# KiCad board ADCS_board.kicad_pcb (continued)
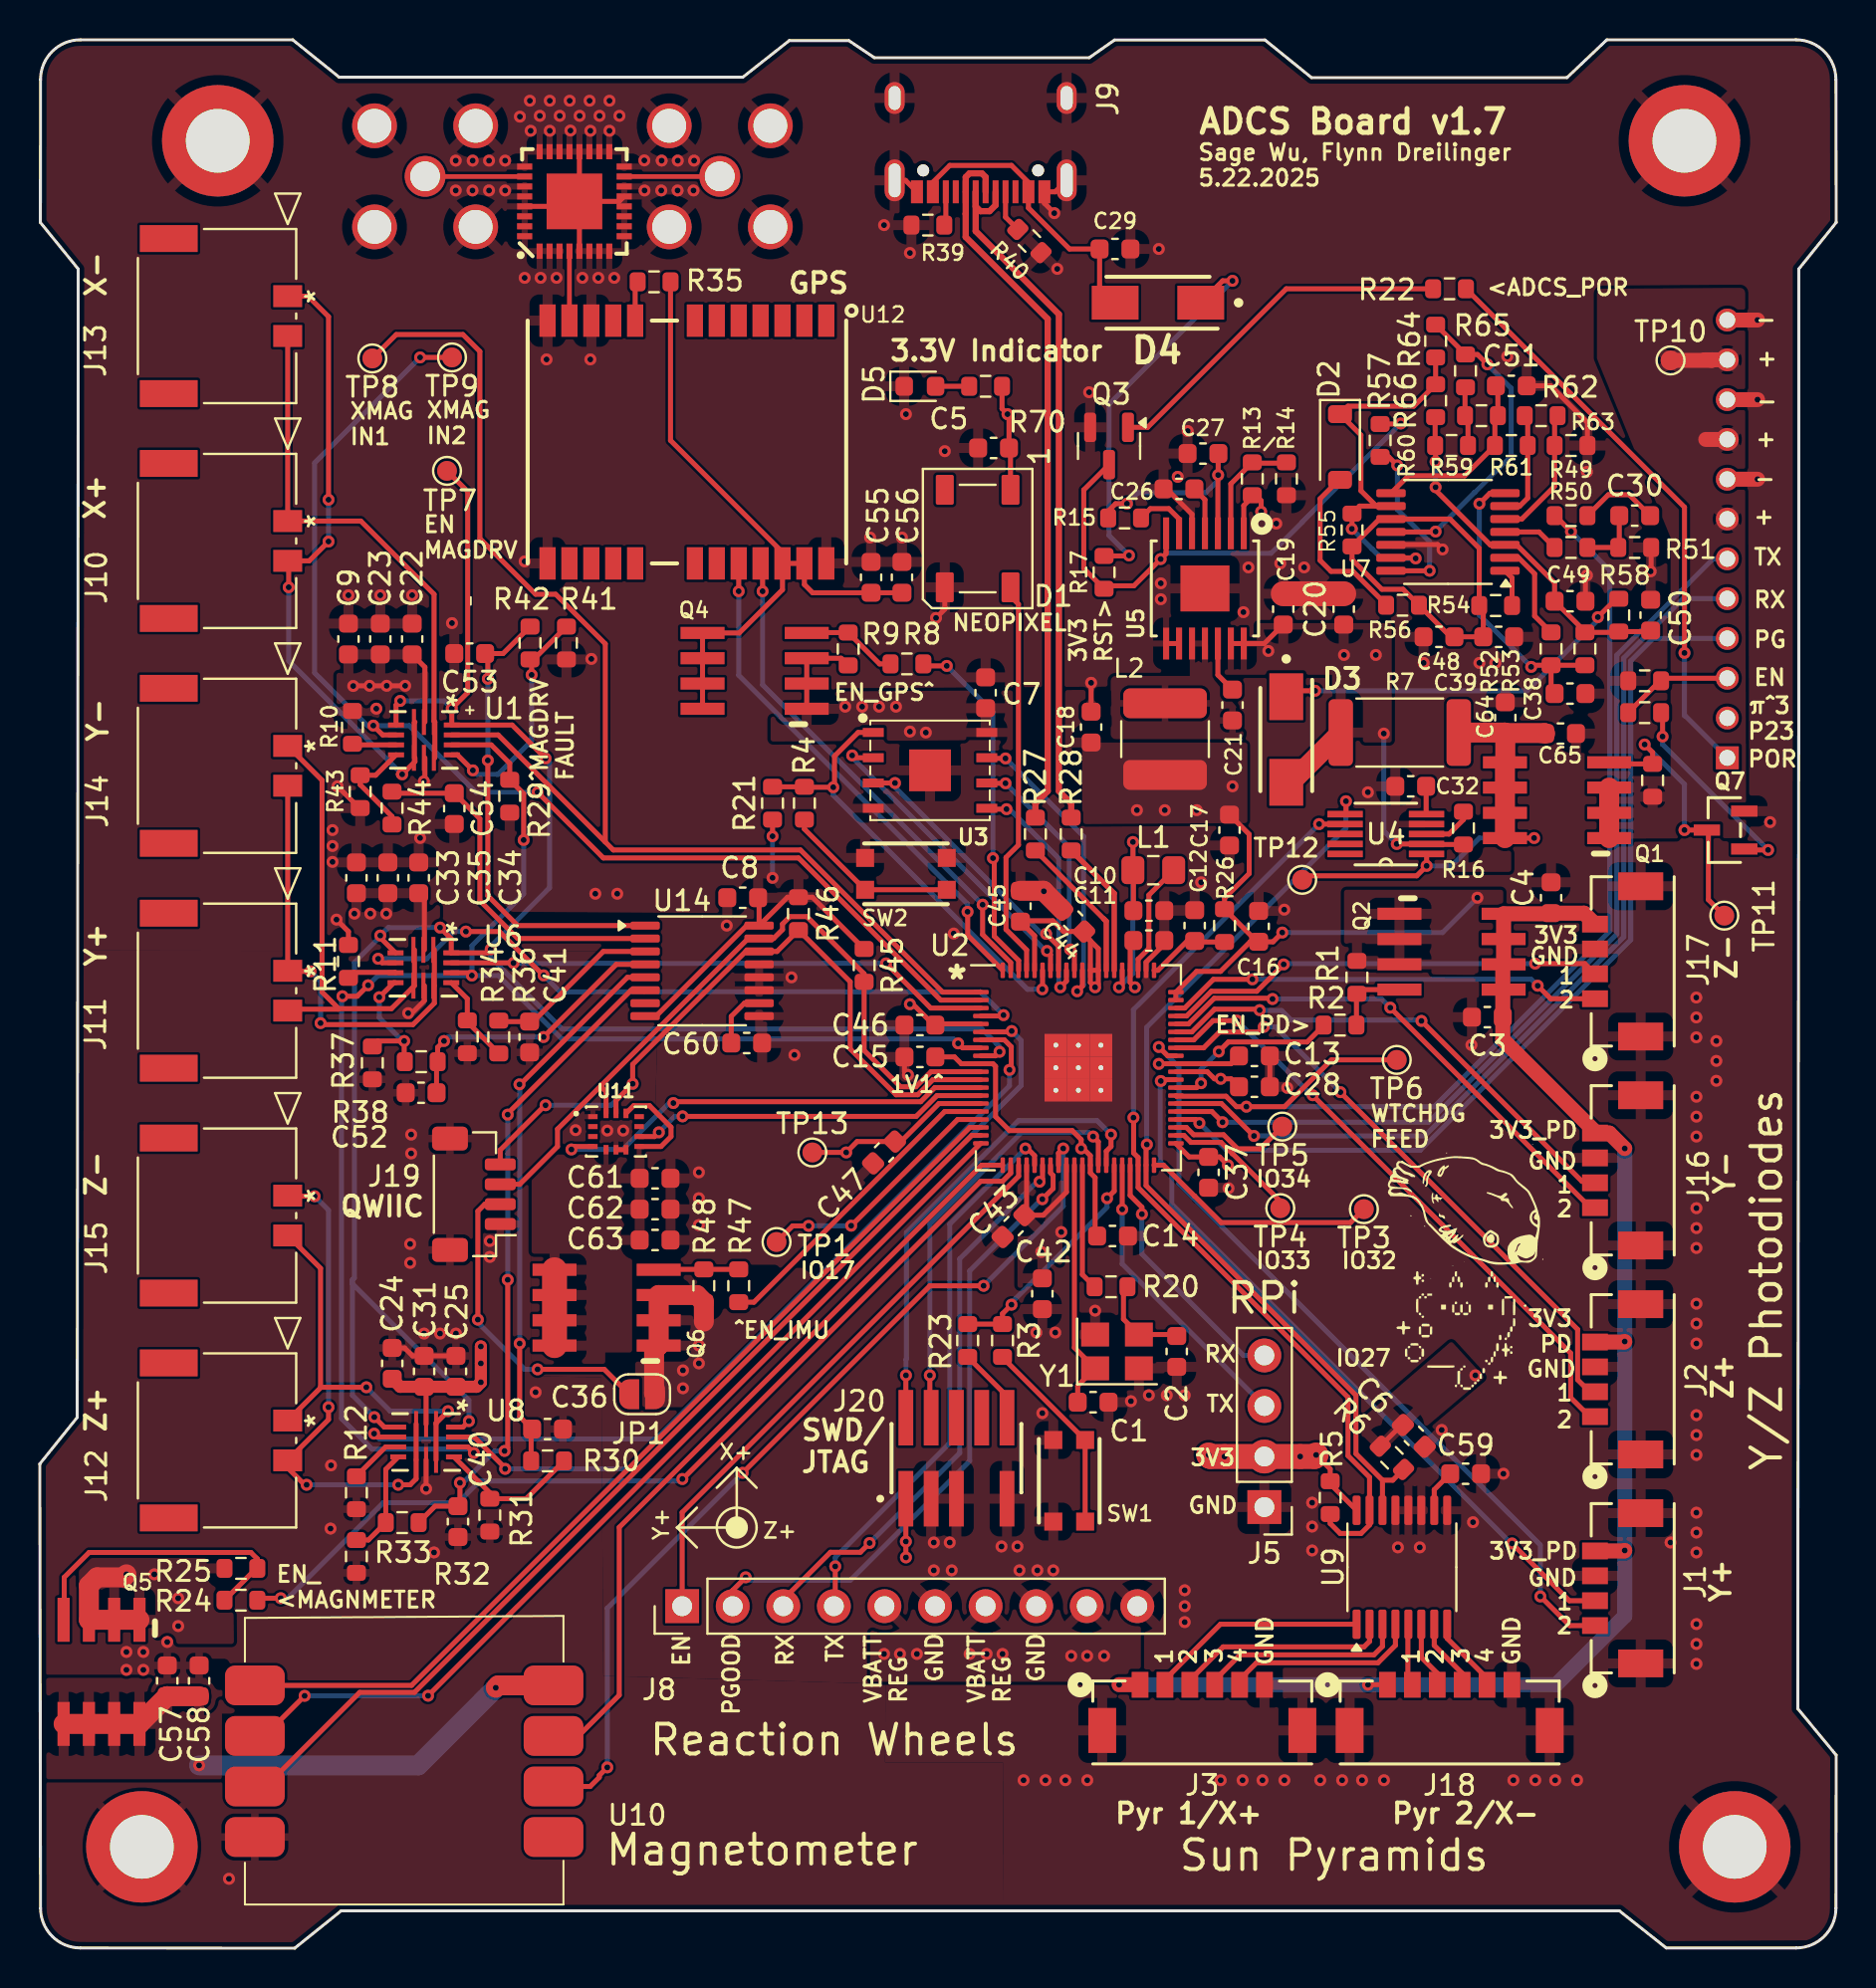
[diagram p0: board, top side]
## Routing (per net, layer and track width the routed paths; a pad name or vN(x,y) marks a point on that pad's centre or on a via; arc(x,y) is an arc through that point) (continued)
pd_z-_1: length 22.4
  Top w0.25: v1(62.47,49.44) 61.12,48.09 58.84,48.09 57.6,46.84 U2.57 ; J17.2 77.59,49.48 v1(75.1,49.48)
  Bottom w0.25: v1(75.1,49.48) 62.51,49.48 v1(62.47,49.44)
pd_z-_2: length 22.1
  Top w0.25: U2.58 57.5,47.24 58.94,48.69 v1(60.9,48.69) ; v1(75.23,48.36) 75.88,47.71 J17.1
  Bottom w0.25: v1(60.9,48.69) 74.91,48.69 v1(75.23,48.36)
pyramid1_1: length 11.3
  Top w0.25: U9.1 59.29,16.28 56.51,13.49 J3.2 ; 56.61,13.34 56.61,13.59
pyramid1_2: length 11.2
  Top w0.25: U9.2 66.78,15.42 66.51,15.14 59.43,15.14 57.76,13.47 J3.3 ; 57.86,13.34 57.86,13.57
pyramid1_3: length 10.7
  Top w0.25: 59.11,13.34 59.11,13.57 ; J3.4 59.01,13.47 60.28,14.74 67.01,14.74 67.43,15.17 U9.3
pyramid1_4: length 10.1
  Top w0.25: U9.4 68.08,15.22 67.21,14.34 61.11,14.34 60.26,13.49 J3.5 ; 60.36,13.34 60.36,13.59
pyramid2_1: length 3.1
  Top w0.25: J18.2 68.71,13.46 68.71,16.25 U9.5
pyramid2_2: length 3.4
  Top w0.25: U9.6 69.38,14.62 70.18,13.82 J18.3
pyramid2_3: length 3.6
  Top w0.25: U9.7 70.03,15.22 71.43,13.82 J18.4
pyramid2_4: length 3.9
  Top w0.25: J18.5 72.68,13.57 70.68,15.57 U9.8
Q1_GATE: length 14.3
  Top w0.25: TP11.1 83.8,52.69 83.8,56.11 Q7.3 v1(82.6,56.19) ; Q1.4 78.9,59.51 R69.1 81,60.09 v1(80.6,60.49) ; 79,59.51 78.97,59.54
  Bottom w0.25: v1(82.6,56.19) 82.6,58.49 v1(80.6,60.49)
RX_FROM_GPS: length 25.9
  Top w0.25: U2.80 46.6,50.9 46.6,52.07 v1(46.59,52.08) ; v1(35.1,68.19) U12.20
  Bottom w0.25: v1(35.1,68.19) 35.1,63.97 46.59,52.47 v1(46.59,52.08)
RX_FROM_MOTOR: length 28.5
  Top w0.25: v1(41.67,20.36) 41.21,19.9 39.71,19.9 37.34,17.53 J8.3 ; v1(50.21,38.52) 50.36,38.67 U2.26
  Bottom w0.25: v1(41.67,20.36) 46.2,24.89 46.2,34.64 50.07,38.52 v1(50.21,38.52)
RX_FROM_PICUBED: length 47.9
  Top w0.25: 84.68,67.89 J4.5 ; v1(60.98,40.82) 60.97,40.82 59.34,42.44 U2.46
  Bottom w0.25: J4.5 82.53,67.82 79.55,64.84 79.55,50.82 69.55,40.82 v1(60.98,40.82)
SCLK_MAGMETER: length 48.1
  Top w0.25: U10.1 18.67,13.21 46.71,41.24 U2.18
SCS_MAGMETER: length 39.4
  Top w0.25: U2.21 47.3,39.35 29.1,21.15 29.1,12.71 27.05,10.67 U10.6
SWCLK: length 21.5
  Top w0.25: v1(44.7,28.79) 44.7,26.72 J20.4 ; v1(52.9,40.79) 53.16,40.53 U2.33
  Bottom w0.25: v1(44.7,28.79) 44.7,36.39 49.3,40.99 52.7,40.99 v1(52.9,40.79)
SWDIO: length 23.9
  Top w0.25: J20.2 43.49,28.78 v1(43.5,28.79) ; U2.34 53.56,40.05 53.8,40.29 v1(53.8,40.89)
  Bottom w0.25: v1(53.8,40.89) 53.1,41.59 49.15,41.59 43.52,35.96 43.52,29.61 43.5,29.59 v1(43.5,28.79)
TX_TO_GPS: length 25.6
  Top w0.25: U12.21 36.3,69.49 v1(36.3,68.19) ; U2.79 48.76,49.53 47.35,50.94 v1(47.35,52.44)
  Bottom w0.25: v1(36.3,68.19) 36.3,63.49 v1(47.35,52.44)
TX_TO_MOTOR: length 28.1
  Top w0.25: v1(49.5,40.19) 49.6,40.19 49.96,39.83 U2.25 ; J8.4 39.95,17.26 v1(39.95,19.19)
  Bottom w0.25: v1(39.95,19.19) 39.95,19.64 45.7,25.39 45.7,36.39 v1(49.5,40.19)
TX_TO_PICUBED: length 47.9
  Top w0.25: 84.73,69.84 J4.6 ; v1(59.4,41.51) 58.86,42.04 U2.45
  Bottom w0.25: v1(59.4,41.51) 69.75,41.51 79.2,50.96 79.2,64.98 84.03,69.82 J4.6
UART_FROM_DEBUG: length 13
  Top w0.25: U2.37 54.76,37.83 55.35,37.24 v1(55.35,36.89)
  Bottom w0.25: J5.4 60.45,29.79 55.35,34.89 v1(55.35,36.89)
UART_TO_DEBUG: length 15.1
  Top w0.25: v1(54.36,37.13) U2.36
  Bottom w0.25: J5.3 54.36,34.39 v1(54.36,37.13)
USB_CC1: length 2.1
  Top w0.25: J9.A5 48.5,86.98 R40.2
USB_CC2: length 1.7
  Top w0.25: J9.B5 45.5,86.66 R39.2
USB_D+: length 36
  Top w0.313: J9.A6 47.5,89 47.31,89.19 46.69,89.19 46.5,89 J9.B6 46.5,87.15 46.5,87.15 46.5,85.99 50.62,81.87 50.62,58.14 50,57.52 R27.2
USB_D-: length 36.1
  Top w0.313: R28.2 51.8,57.52 51.18,58.14 51.18,82.1 47,86.28 J9.A7 47,87.52 47.24,87.29 47.7,87.29 48,87.59 J9.B7
WATCHDOG_FEED: length 56.2
  Top w0.25: TP6.1 64.86,44.64 62.51,42.29 v1(60.6,42.29) 60.1,42.29 59.57,42.81 57.09,42.81 U2.47 ; R49.1 76.1,71.99 v1(76.9,71.19)
  Bottom w0.25: v1(76.9,71.19) 78.85,69.24 78.85,51.11 70.03,42.29 v1(60.6,42.29)
X_MAGDRV_CM1: length 23.6
  Top w0.25: U14.1 24,51.39 22.5,52.89 v1(22.5,59.69) ; R42.1 23.26,65.06 C53.1 22.5,64.92 v1(22.5,63.79)
  Bottom w0.25: v1(22.5,59.69) v1(22.5,63.79)
X_MAGDRV_CM2: length 18.2
  Top w0.25: U14.2 24,50.74 22.1,52.64 22.1,56.76 C54.1 20.81,58.04 17.77,58.04 R44.1
X_MAGDRV_IN1: length 66
  Top w0.25: U1.13 23.02,60.97 28.4,55.59 ; TP8.1 17.9,81.09 21.25,81.09 22.1,80.24 22.1,70.84 24.9,68.04 25.91,68.04 28.4,65.54 28.4,55.59 ; U2.1 45.34,48.04 38.2,55.19 28.8,55.19 28.4,55.59
X_MAGDRV_IN2: length 61.3
  Top w0.25: v1(25,58.09) 28.3,54.79 38.1,54.79 45.25,47.64 U2.2 ; v1(16.75,61.44) 17.22,60.97 U1.5 ; TP9.1 v1(19.1,79.94)
  Bottom w0.25: v1(19.1,79.94) 13.8,74.64 13.8,64.09 16.45,61.44 v1(16.75,61.44) 18.55,61.44 21.9,58.09 v1(25,58.09)
X_MAGDRV_nFAULT: length 80.1
  Top w0.25: v1(15.2,47.84) 15.94,47.84 v1(16.49,48.39) ; v1(21.7,48.88) 21.56,49.02 U6.12 ; U1.12 22.67,60.47 23.6,59.54 R29.1 24.3,58.01 v1(24.3,55.69) ; U8.12 21.5,25.19 v1(21.8,24.89) ; v1(46.12,45.47) 46.34,45.24 U2.8
  Bottom w0.25: v1(16.49,48.39) 16.98,48.88 v1(21.7,48.88) ; v1(46.12,45.47) 45.9,45.69 26.22,45.69 23.03,48.88 v1(21.7,48.88) ; v1(21.7,48.88) 21.7,50.38 24.3,52.98 v1(24.3,55.69) ; v1(15.2,47.84) 15.15,47.79 15.15,26.62 16.69,25.08 21.61,25.08 v1(21.8,24.89)
X_MAGDRV_OUT1: length 26.4
  Top w0.25: J13.2 J10.1 16.12,71.72 19.8,68.04 19.8,61.66 19.84,61.62 19.84,59.82
X_MAGDRV_OUT2: length 32.3
  Top w0.25: v1(18.2,58.99) 18.84,59.63 18.84,59.82 ; v1(12.5,68.39) 12.5,69.67 J10.2 13.53,69.72 v1(14.5,70.69) ; 18.84,61.62 18.81,61.59 18.81,59.82 ; J13.1 13.47,83.02 14.5,81.99 v1(14.5,72.79)
  Top w0.5: v1(18.2,58.99) 18.14,58.99
  Bottom w0.25: v1(18.2,58.99) 12.5,64.69 v1(12.5,68.39) ; v1(14.5,70.69) v1(14.5,72.79)
Y_MAGDRV_CM1: length 9
  Top w0.25: U14.3 28.3,50.09 24.77,46.56 C41.1 23.1,46.56 23.05,46.61 23.2,46.61
Y_MAGDRV_CM2: length 14.5
  Top w0.25: v1(25.3,45.79) 28.95,49.44 U14.4 ; 19.92,42.99 19.92,44.49 R38.1 19.98,45.27 v1(20.3,45.59)
  Bottom w0.25: v1(20.3,45.59) 20.5,45.79 v1(25.3,45.79)
Y_MAGDRV_IN1: length 27.5
  Top w0.25: U2.3 44.74,47.24 v1(42.5,49.49) ; v1(23.79,49.51) 23.78,49.52 U6.13
  Bottom w0.25: v1(23.79,49.51) 23.81,49.49 v1(42.5,49.49)
Y_MAGDRV_IN2: length 35.9
  Top w0.25: 25.28,48.89 23.08,51.09 v1(21.4,51.09) ; 25.28,48.89 v1(25.3,48.89) 25.3,48.87 25.28,48.89 ; v1(16.99,49.72) 17.19,49.52 U6.5 ; U2.4 48.36,46.84 v1(48.4,46.89)
  Bottom w0.25: v1(21.4,51.09) 20.8,51.09 19.43,49.72 v1(16.99,49.72) ; v1(25.3,48.89) 26.12,48.06 47.22,48.06 v1(48.4,46.89)
Y_MAGDRV_OUT1: length 22.1
  Top w0.25: J14.2 J11.1 12.48,49.09 v1(13.6,49.09) ; 19.81,50.17 19.81,47.49 18.74,46.41 14.18,46.41 v1(14.1,46.49)
  Bottom w0.25: v1(14.1,46.49) 14.1,48.59 v1(13.6,49.09)
Y_MAGDRV_OUT2: length 22.9
  Top w0.25: 15.01,47.21 14.99,47.19 12.52,47.19 J11.2 ; 15.01,47.21 14.17,48.05 14.17,58.69 J14.1 ; 15.01,47.21 17.66,47.21 18.81,48.37 18.81,50.17
Z_MAGDRV_CM1: length 27.7
  Top w0.25: R30.1 24.67,26.04 C36.1 24.1,26.71 v1(24.1,30.39) ; U14.5 29.51,48.79 24.13,43.41 v1(24.09,43.41)
  Bottom w0.25: v1(24.1,30.39) 24.1,43.4 v1(24.09,43.41)
Z_MAGDRV_CM2: length 33.2
  Top w0.25: v1(23.5,33.59) 23.5,25.15 v1(23.34,24.99) ; C40.1 19.85,22.21 R33.1 ; C40.1 20.85,22.36 ; C40.1 21.1,22.31 v1(21.1,23.39) ; 30.35,48.09 U14.6 29.69,48.14 23.5,41.94 v1(23.5,41.89)
  Bottom w0.25: v1(23.5,41.89) v1(23.5,33.59) ; v1(23.34,24.99) 22.85,24.99 21.25,23.39 v1(21.1,23.39)
Z_MAGDRV_IN1: length 41.6
  Top w0.25: v1(23.37,24.09) 23.37,24.13 21.81,25.69 U8.13 ; U2.6 48.77,46.04 v1(48.81,46.09)
  Bottom w0.25: v1(48.81,46.09) 49.28,45.62 49.28,43.35 30.02,24.09 v1(23.37,24.09)
Z_MAGDRV_IN2: length 44.3
  Top w0.25: v1(48.7,44.14) 48.79,44.23 48.79,45.3 48.44,45.64 U2.7 ; v1(16.79,25.86) 16.96,25.69 U8.5
  Bottom w0.25: v1(16.79,25.86) 17.06,25.59 30.95,25.59 48.7,43.34 v1(48.7,44.14)
Z_MAGDRV_OUT1: length 20.3
  Top w0.25: 14.12,28.19 J12.1 ; 14.12,28.19 v1(16.4,28.19) ; 14.12,28.19 14.1,28.21 14.1,34.17 J15.2 ; v1(20.5,26.99) 19.9,26.39 U8.1 U8.10
  Bottom w0.25: v1(20.5,26.99) 17.6,26.99 v1(16.4,28.19)
Z_MAGDRV_OUT2: length 25.8
  Top w0.25: J15.1 12.48,37.79 v1(13.8,37.79) ; U8.3 U8.8 18.9,23.59 18.6,23.29 v1(18,23.29) ; v1(13.4,23.29) 13.3,23.29 12.45,24.14 J12.2 14.5,26.57 v1(14.5,27.19)
  Bottom w0.25: v1(18,23.29) v1(13.4,23.29) ; v1(13.8,37.79) 14.5,37.09 v1(14.5,27.19)
~{RESET}: length 3.9
  Top w0.25: J20.10 48.57,27.74 R23.1
Net-(C2-Pad1): length 4.7
  Top w0.25: C2.1 57.02,30.84 Y1.3 54.42,31.61 54.42,33.24
Net-(C30-Pad1): length 4
  Top w0.25: C30.1 79.82,73.04 78.77,73.04 R49.2
Net-(C30-Pad2): length 3.2
  Top w0.25: C30.2 79.32,70.44 R51.2 R50.1
Net-(D2-A): length 8.9
  Top w0.25: R56.2 67.61,67.52 65.95,69.19 64.85,69.19 64.3,69.74 64.3,72.84 65.25,73.79 D2.2 ; 65.3,73.84 65.3,74
Net-(D2-K): length 20.8
  Top w0.25: v1(69.1,69.84) 69.07,69.87 U7.13 ; R64.2 R66.1 69,77.49 65.7,77.49 D2.1 66.35,76.04 66.35,73.24 67.12,72.47 U7.9 66.28,72.47 R55.2 65.9,71.33 v1(65.89,71.32)
  Bottom w0.25: v1(65.89,71.32) 66.9,70.31 66.92,70.31 67.22,70 67.22,69.99 67.38,69.84 v1(69.1,69.84)
Net-(D3-K): length 18.8
  Top w0.25: D3.1 62.9,63.19 v1(64.05,63.19) ; R58.1 79.17,67.81 v1(78.25,66.89)
  Bottom w0.25: v1(64.05,63.19) 74.7,63.19 78.25,66.74 v1(78.25,66.89)
Net-(D4-A): length 14.7
  Top w0.25: D4.2 53.22,83.47 C29.1 51.71,85.39 49.65,87.45 J9.A4 49.65,88.73 48.8,89.59 45.7,89.59 44.85,88.74 J9.A9
Net-(D5-A): length 1.7
  Top w0.25: D5.2 R70.1
Net-(J6-In): length 4.8
  Top w0.235: U13.15 34.14,89.03 J6.1
Net-(J7-In): length 5
  Top w0.235: J7.1 19.36,89.03 U13.26
Net-(J19-Pin_2): length 16
  Top w0.25: v1(22,31.59) 22,37.04 22.35,37.39 J19.2 ; v1(25,29.09) 28.35,29.09 JP1.1
  Bottom w0.25: v1(22,31.59) 22,31.44 24.35,29.09 v1(25,29.09)
Net-(Q2-Gate): length 3.8
  Top w0.25: R2.1 66.12,47.94 R1.1 66.36,48.17 Q2.4
Net-(Q3-B): length 18.2
  Top w0.25: Q3.1 55.64,76.42 62.6,83.39 R22.1
Net-(Q4-Gate): length 4.9
  Top w0.25: Q4.4 38.54,66.11 40.6,66.11 42.17,64.54 R8.1
Net-(Q5-Gate): length 15.3
  Top w0.25: R24.1 10.87,19.09 10.92,19.09 10.92,19.56 10.6,19.89 2.47,19.89 1.22,18.64 1.22,16.53 Q5.4
Net-(Q6-Gate): length 4
  Top w0.25: 35.1,34.11 31.1,34.11 Q6.4
Net-(Q7-G): length 10.3
  Top w0.25: v1(81.5,60.89) 81.5,62.01 R67.1 ; v1(86.8,55.19) 85.65,55.19 Q7.1
  Bottom w0.25: v1(86.8,55.19) 81.5,60.49 v1(81.5,60.89)
Net-(R52-Pad1): length 5.1
  Top w0.25: R52.1 75.07,66.95 75.07,69.06 74.27,69.87 73.58,69.87
Net-(R54-Pad1): length 1.9
  Top w0.25: 73.58,69.22 73.94,68.86 R54.1
Net-(R57-Pad1): length 8.9
  Top w0.25: 67.31,74.94 67.74,74.94 v1(68.17,74.51) ; v1(69.8,69.22) U7.14
  Bottom w0.25: v1(69.8,69.22) 69.8,70.67 68.17,72.3 v1(68.17,74.51)
Net-(SW1-P): length 10
  Top w0.25: SW1.A SW1.A' 48.35,29.69 R3.1
Net-(SW2-P): length 8.9
  Top w0.25: SW2.A' SW2.A 38.4,56.24 R4.1
Net-(U1-CM1): length 11.7
  Top w0.25: U1.11 20.97,59.97 v1(21.75,59.19) ; R41.1 24.8,64.76 R42.2 24.7,64.68 v1(24.7,63.99)
  Bottom w0.25: v1(24.7,63.99) 24.7,60.69 23,58.99 21.95,58.99 v1(21.75,59.19)
Net-(U1-CM2): length 5.4
  Top w0.25: U1.7 16.87,58.94 R43.1 16.09,58.47 17.69,56.87 R44.2
Net-(U1-SR): length 2.2
  Top w0.25: U1.6 15.76,60.47 15.7,60.52
Net-(U2-VREG_AVDD): length 3.8
  Top w0.25: U2.61 56.15,49.14 57.62,50.61 57.72,50.61 ; R26.2 58.05,50.56
Net-(U2-VREG_LX): length 5.8
  Top w0.25: L1.2 55.7,52.92 55.7,50.24 55.16,49.7 U2.63
Net-(U4-ON): length 2.6
  Top w0.25: U4.3 70.77,55.99 71.5,56.71 71.5,57.11
Net-(U4-TIMER): length 1.4
  Top w0.25: C32.2 69.62,57.01 U4.5
Net-(U5-PG): length 3
  Top w0.25: R15.1 55.77,72.34 56.7,72.34 57.22,71.82 U5.6
Net-(U5-SS): length 1.9
  Top w0.25: 58,73.3 58.52,72.79 58.52,71.63
Net-(U5-VBST): length 2.6
  Top w0.25: C21.2 59.17,63.98 U5.12
Net-(U5-VFB): length 5.6
  Top w0.25: 62.61,74.63 61.02,74.63 ; R13.1 59.82,73.58 U5.2
Net-(U5-VREG5): length 10.4
  Top w0.25: U5.3 59.17,74.01 v1(59.18,74.03) 59.18,75.4 ; 53.69,72.25 54.03,72.59 v1(54.6,72.59)
  Bottom w0.25: v1(54.6,72.59) 55.15,73.14 58.55,73.14 59.18,73.77
Net-(U6-CM1): length 4.6
  Top w0.25: U6.11 21.47,47.71 R34.1 21.47,46.54 R36.2 ; 23.2,44.96 23.13,44.96
Net-(U6-CM2): length 6.6
  Top w0.25: R38.2 18.3,44.58 v1(18.3,45.59) 16.97,45.59 R37.1 ; v1(17.05,47.79) 17.78,48.52 U6.7
  Bottom w0.25: v1(17.05,47.79) 17.05,46.76 18.22,45.59 v1(18.3,45.59)
Net-(U6-SR): length 2.5
  Top w0.25: R11.1 15.77,49.04 17.85,49.04 U6.6
Net-(U7A--): length 2.8
  Top w0.25: R50.2 75.29,71.17 73.58,71.17
Net-(U7B-+): length 15
  Top w0.25: R52.2 R53.1 ; R52.2 74.98,64.47 v1(74.9,64.39) ; R52.2 75.9,63.22 C38.2 ; v1(72.3,72.59) 72.83,73.12 73.58,73.12
  Bottom w0.25: v1(72.3,72.59) 72.3,66.99 v1(74.9,64.39)
Net-(U7C-+): length 16.2
  Top w0.25: R64.1 R65.1 72.2,80.08 v1(72.7,79.59) ; v1(70.1,71.19) 70.08,71.17 U7.11
  Bottom w0.25: v1(72.7,79.59) 73.9,78.39 73.9,74.99 72.07,73.16 72.06,73.16 70.1,71.2 v1(70.1,71.19)
Net-(U8-CM1): length 7.4
  Top w0.25: 26.18,24.16 26.23,24.21 ; R30.2 24.42,22.59 R31.1 22.6,22.89 U8.11
Net-(U8-CM2): length 5.4
  Top w0.25: U8.7 17.37,24.06 R33.2 16.5,20.51 15.9,20.51
Net-(U8-SR): length 2.7
  Top w0.25: U8.6 17.36,25.19 15.9,23.72 R12.1
Net-(U12-RSTN): length 2.2
  Top w0.25: 29.9,83.41 30.02,83.54 ; 30.02,83.74 29.9,83.61 U12.8 29.89,81.8

## Copper pours and planes (outline as drawn; the poured copper is in the pictures)
3.3V on Top: 6.35,2.84 6.35,0.3 12.95,0.3 12.95,2.84
3.3V on Top: 38.9,33.79 38.3,34.19 31.7,34.19 29.9,31.79 29.9,27.19 32.5,27.19
3.3V on Top: 53.65,63.24 53.7,60.04 47.55,60.04 47.55,60.71 36.7,60.64 36.7,63.14
3.3V on Top: 65.5,53.19 73.5,53.19 73.5,48.89 65.5,48.99
3.3V on Top: 1.95,19.69 2,15.29 9.75,15.29 9.7,19.69
3.3V on Top: 51.5,38.59 49.1,38.59 49.1,33.19 51.3,33.19
3.3V on Top: 22.7,57.79 26,57.84 28.95,54.89 37.85,54.89 39.95,52.79 39,51.99 22.75,52.09
3.3V on Top: 52.35,60.59 52.35,56.49 60.65,56.54 60.65,60.59
3.3V on Top: 70.9,30.5 72.56,28.68 67.31,24.24 65.65,25.96
3.3V on Route15: -1.3,97.39 91.7,97.39 91.7,-1.61 -0.3,-1.61
+1V1 on Route15: 47.5,48.69 56.9,48.79 56.8,39.79 47.4,39.69
/IMU_and_Magnetometer/3V3_IMU on Top: 24.7,29.54 25.25,28.74 28.4,28.79 28.4,29.94 29.75,29.94 29.75,34.84 30.7,35.14 30.7,40.39 29.7,40.39 29.45,39.89 25.95,39.89 24.7,38.64
/IMU_and_Magnetometer/3V3_MAGNMETER on Top: 0.15,13.59 8.5,13.59 8.5,14.39 12.4,14.39 12.3,11.79 9.15,11.79 9.15,8.49 0.15,8.49
GND on Top: 30.85,40.19 25.95,39.89 24.7,38.64 24.7,29.54 25.25,28.74 28.2,28.69 28.3,13.69 42.47,13.28 42.45,9.34 48.37,9.34 48.42,-0.04 0,-0.08 0.1,50.14 31.14,50.09
GND on Top: 0.07,96.24 90.24,96.24 90.09,0.4 0,-0.08
GND on Bottom: 2.04,95.9 42.63,95.9 43.91,95 54.71,95 55.98,95.89 88.21,95.9 88.52,95.87 88.82,95.8 89.11,95.68 89.38,95.52 89.62,95.31 89.82,95.07 89.99,94.81 90.11,94.52 90.21,93.9 90.21,2.01 90.18,1.7 90.11,1.39 89.99,1.1 89.82,0.84 89.62,0.6 89.38,0.39 89.11,0.23 88.82,0.11 88.21,0.01 2.04,0.01 1.72,0.04 1.42,0.11 1.13,0.23 0.86,0.39 0.62,0.6 0.42,0.84 0.25,1.1 0.13,1.39 0.04,2.01 0.04,93.9 0.06,94.21 0.13,94.52 0.25,94.81 0.42,95.07 0.62,95.31 0.86,95.52 1.13,95.68 1.42,95.8
GND on Bottom: 6.35,2.84 6.35,0.3 12.95,0.3 12.95,2.84
GND on Route2: 0,95.94 90.29,95.94 90.29,0.05 0,0.05
VBATT_REG on Top: 20.1,65.59 14.9,65.59 14.9,61.79 20.1,61.79
VBATT_REG on Top: 41.7,17.49 55.3,17.49 55.3,13.39 41.7,13.39
VBATT_REG on Top: 70.9,56.79 70.9,54.09 73.9,54.09 73.9,56.79
VBATT_REG on Top: 64.9,63.99 59.5,63.99 59.5,66.59 67.9,66.59 67.9,60.59 64.9,60.59
VBATT_REG on Top: 20.1,53.39 15.5,53.39 15.5,49.59 20.1,49.59
VBATT_REG on Route15: 71.69,71.6 59.7,71.58 59.7,73.39 71.7,73.39 71.7,90.19 51.7,90.19 51.7,67.39 14.7,67.39 14.7,26.79 23.3,26.79 23.3,63.39 64.99,63.23 65,19.03 40.29,19.04 40.29,12.42 71.7,12.43
VBATT_SENSE on Top: 78.2,83.39 85.65,83.44 85.65,70.94 85.7,55.79 78.43,55.75 78.48,58.92 81.9,58.89 81.9,70.89 78.2,79.89
Net-(U5-SW1) on Top: 57.75,66.3 58.98,66.3 58.98,63.74 60.45,61.96 60.45,60.76 53.78,60.76 53.78,63.93 57.75,63.93

## Text on the board
B.Silkscreen: Y+ | Z+ | X+ | ANT2 | ANT1
F.Silkscreen: + | - | X+ | Z+ | Y+ | EN_ / <MAGNMETER | XMAG / IN1 | EN / MAGDRV | XMAG / IN2 | ^EN_IMU | IO17 | EN_GPS^ | 1V1^ | NEOPIXEL | GND | 3V3 | Sage Wu, Flynn Dreilinger / 5.22.2025 | RX | TX | EN_PD> | IO34 | IO33 | IO27 | IO32 | WTCHDG / FEED | <ADCS_POR | 3V3_PD | 1 | 2 | π^3 / P23 | POR | PG | EN | 3V3 / PD | ^MAGDRV / FAULT | PGOOD | VBATT / REG | 3V3 / RST> | 3 | 4 | QWIIC | GPS | SWD/ / JTAG | 3.3V Indicator | Pyr 1/X+ | Pyr 2/X- | X- | Z- | Y- | ADCS Board v1.7 | * | Magnetometer | Reaction Wheels | RPi | Sun Pyramids | Y/Z Photodiodes
